# Altium PCB Board.PcbDoc (part 7 of 15)
Units mil, origin at the board's own origin, x right, y up, seen from the top; angles counter-clockwise.
Board outline 6379.64 x 4143.89 mil, 4 copper layers (Top Layer, GND, VCC, Bottom Layer); 316 components, 199 nets, 1077 pads, 596 vias.
Unrouted connection lines stored in the file: 268.
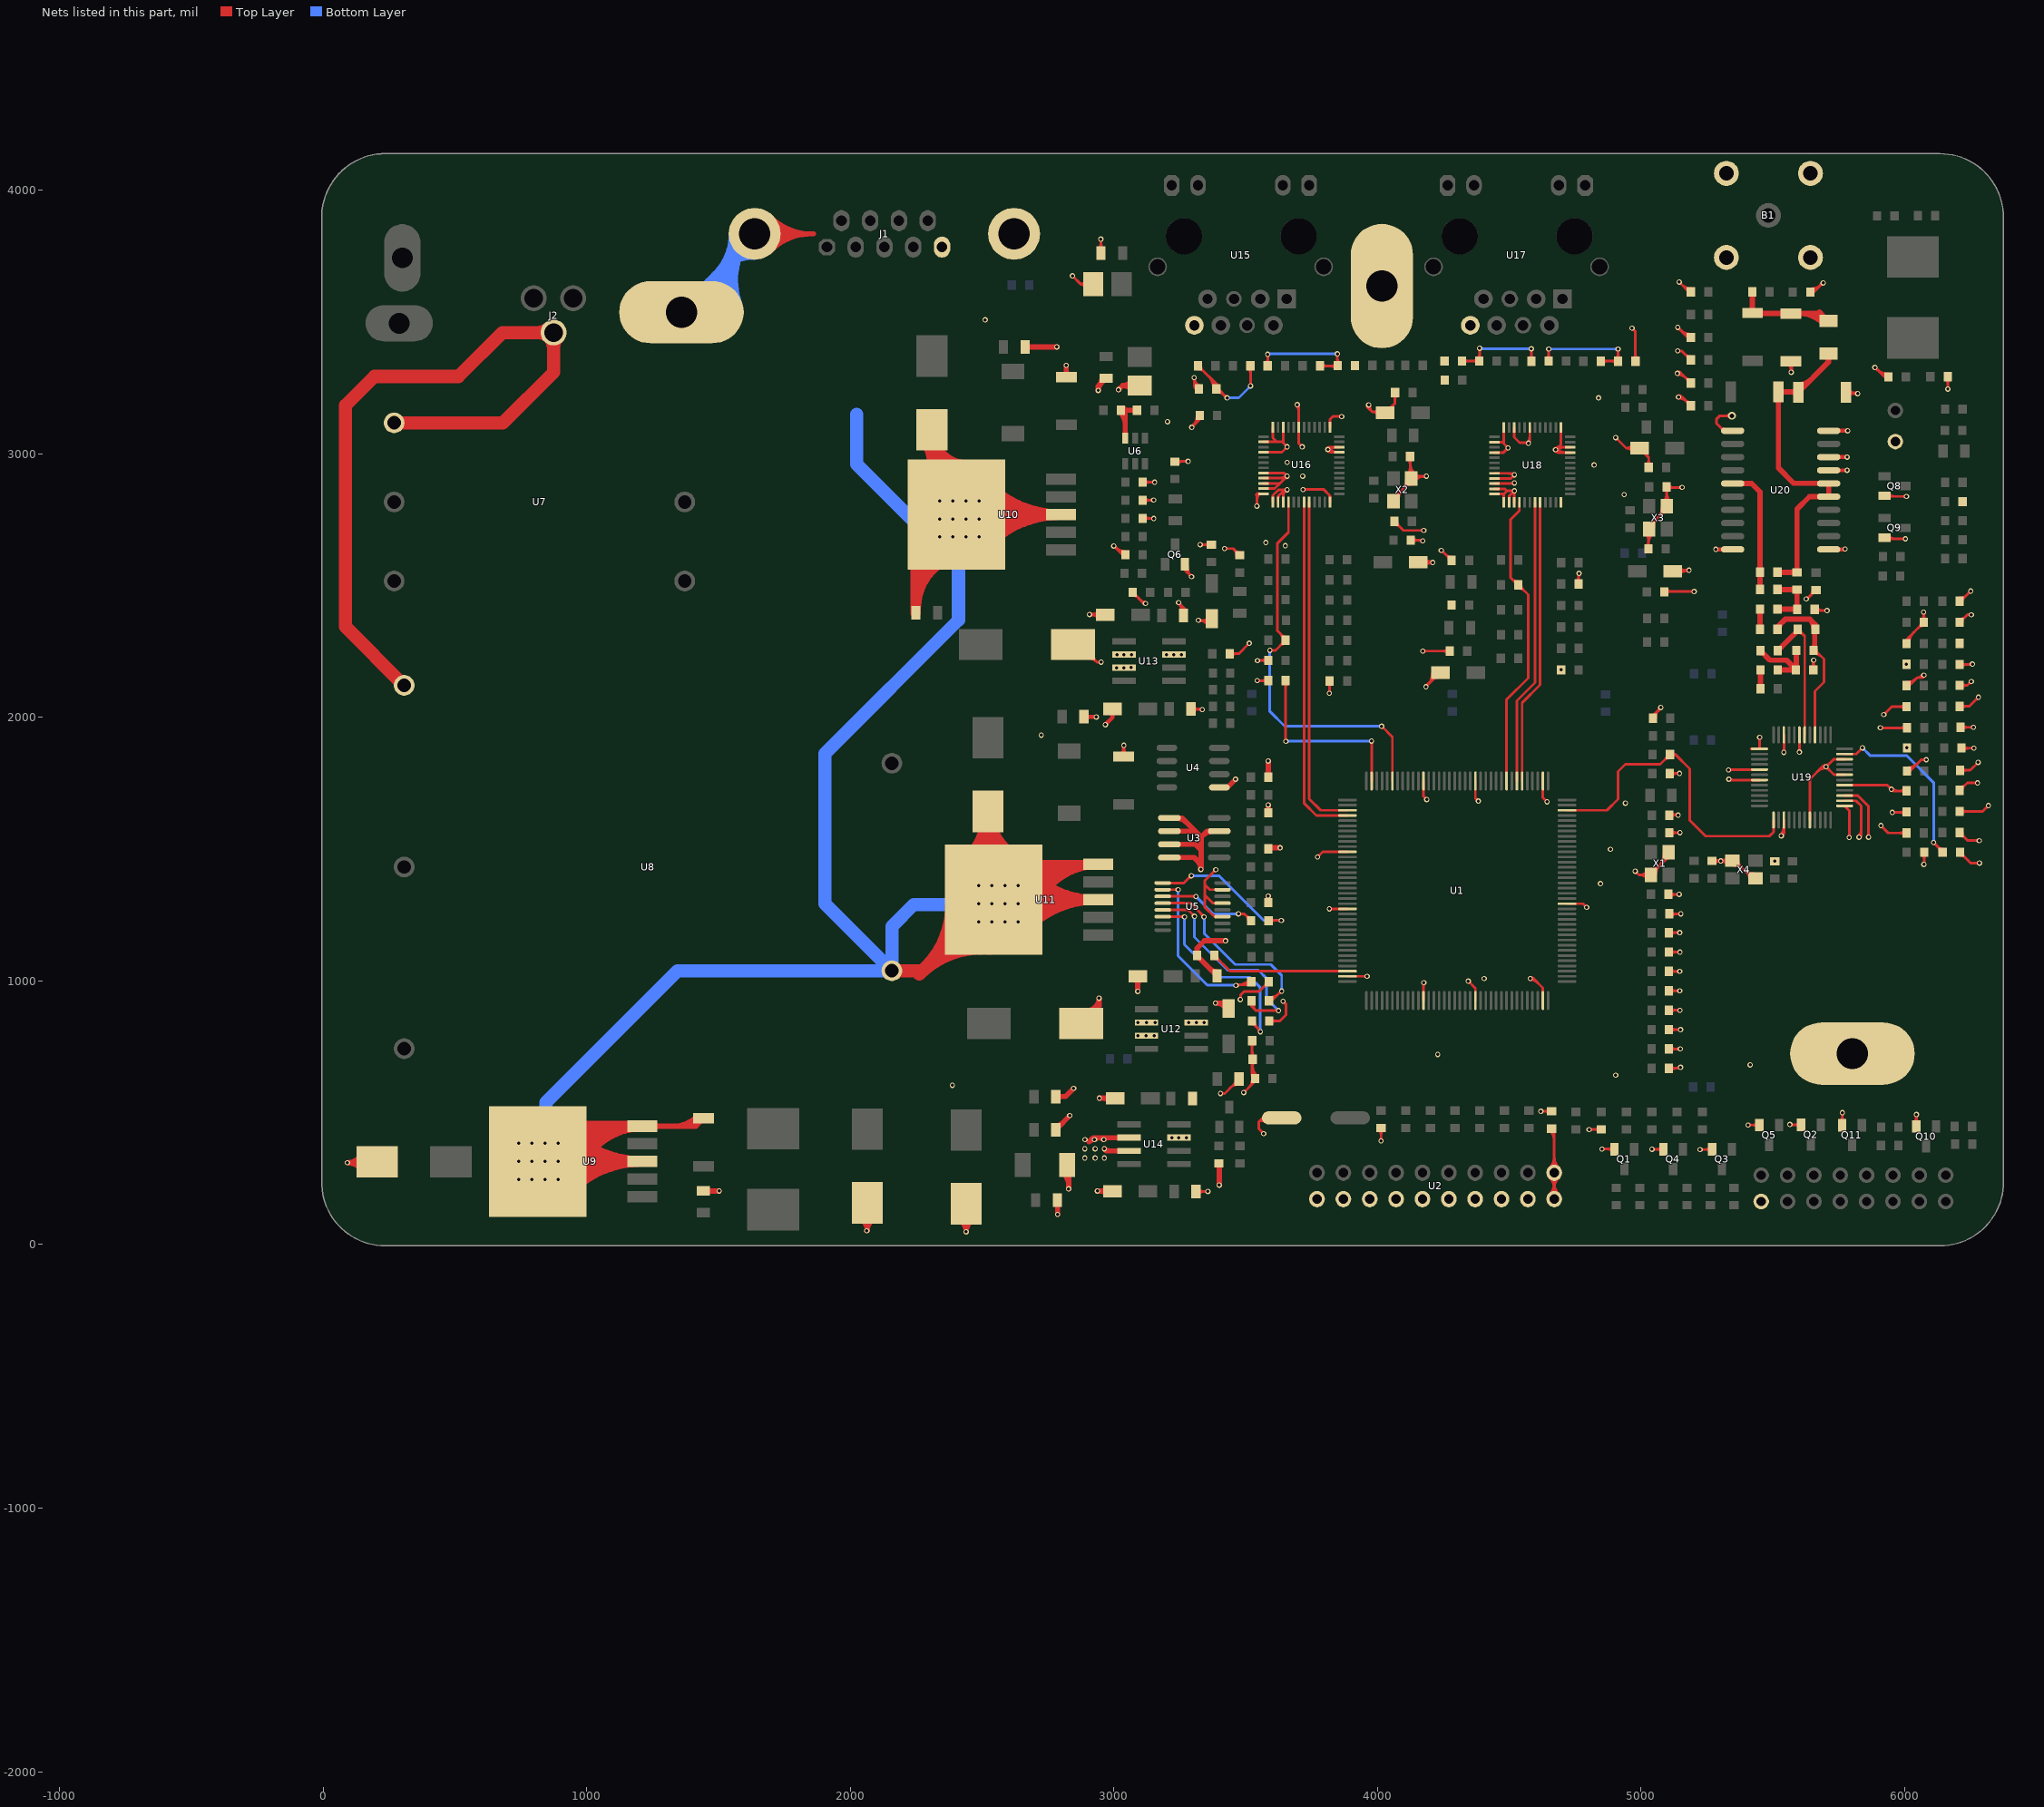
[diagram p8: the nets of this part, all layers, seen from the top]

## Via types
v1: diameter 20, hole 12, Top Layer to Bottom Layer, 590 vias
v2: diameter 30, hole 17, Top Layer to Bottom Layer, 6 vias

## Nets (pads, with @x,y where several pads share a name; then routed paths per layer and width w, separated by ;. In a path a pad name is that pad's centre, name@x,y a point inside that pad or via, vN(x,y) a via of type N, cw(c..) or ccw(c..) an arc to the next point about the centre after c; other vN are vias at no path point) (continued)
GND: (continued)
  other v1: 741.6,247.45 791.6,247.45 841.6,247.45 891.6,247.45 741.6,315.95 791.6,315.95 841.6,315.95 891.6,315.95 2889.6,328.45 2928.6,328.45 2963.6,328.45 2889.6,363.45 2928.6,363.45 741.6,384.45 791.6,384.45 841.6,384.45 891.6,384.45 2890.6,398.45 3219.6,405.45 3246.6,405.45 3275.6,405.45 2387.6,604.45 4903.6,642.45 5413.6,681.45 4228.6,721.45 3091.6,792.45 3122.1,792.45 3152.6,792.45 3091.6,842.45 3124.1,842.45 3156.6,842.45 3284.6,842.45 3312.6,842.45 3341.6,842.45 4404.6,1009.45 2486.6,1224.45 2536.6,1224.45 2586.6,1224.45 2636.6,1224.45 2486.6,1292.95 2536.6,1292.95 2586.6,1292.95 2636.6,1292.95 2486.6,1361.45 2536.6,1361.45 2586.6,1361.45 2636.6,1361.45 4845.6,1369.45 4883.6,1499.45 4940.6,1674.45 6008.6,1884.45 2724.6,1932.45 4696.6,2180.45 3010.6,2188.45 3038.62,2188.45 3065.6,2189.45 6006.6,2201.45 3012.6,2238.45 3038.62,2238.45 3066.6,2238.45 3199.6,2238.45 3227.6,2238.45 3255.6,2238.45 3650.6,2651.45 3576.6,2663.45 2338.6,2684.45 2388.6,2684.45 2438.6,2684.45 2488.6,2684.45 2438.6,2752.95 2488.6,2752.95 2338.6,2821.45 2388.6,2821.45 2438.6,2821.45 2488.6,2821.45 4935.6,2845.45 3716.6,2915.45 4821.6,2957.45 3657.6,2967.45 3203.6,3121.45 4838.6,3212.45 2511.6,3508.45
GND(AC): J2.3 U7.1 U8.1 | length 3444.7
  Top Layer w50: U7.1@269.6,3117.45 682.6,3117.45 874.21,3309.06 J2.3@874.21,3460.24 680.39,3460.24 513.6,3293.45 194.6,3293.45 84.6,3183.45 84.6,2344.43 U8.1@307.6,2121.43 ; 815.76,3460.24 cw(c815.76,3401.78) J2.3@857.09,3443.12 ; 815.76,3460.24 ccw(c815.76,3518.69) J2.3@857.09,3477.36 ; 815.76,3460.24 cw(c815.76,3401.78) J2.3@857.09,3443.12 ; 815.76,3460.24 ccw(c815.76,3518.69) J2.3@857.09,3477.36 ; 815.76,3460.24 ccw(c815.76,3518.69) J2.3@857.09,3477.36 ; 815.76,3460.24 cw(c815.76,3401.78) J2.3@857.09,3443.12 ; J2.3@857.09,3443.12 cw(c815.76,3401.78) 874.21,3401.78 ; J2.3@857.09,3443.12 cw(c815.76,3401.78) 874.21,3401.78 ; J2.3@857.09,3443.12 cw(c815.76,3401.78) 874.21,3401.78 ; 874.21,3401.78 cw(c932.67,3401.78) J2.3@891.33,3443.12 ; 874.21,3401.78 cw(c932.67,3401.78) J2.3@891.33,3443.12 ; 874.21,3401.78 cw(c932.67,3401.78) J2.3@891.33,3443.12
INT: R101.1 U1.34 U19.25 | length 1436.5
  Top Layer w10: U1.34@4718.94,1647.57 4870.72,1647.57 4912.6,1689.45 4912.6,1794.45 4940.6,1822.45 5072.6,1822.45 R101.1@5109.6,1859.45 5130.6,1859.45 ; U19.25@5502.33,1611.03 5502.33,1565.18 5486.6,1549.45 5244.6,1549.45 5184.6,1609.45 5184.6,1805.45 5130.6,1859.45 ; 5087.89,1837.74 cw(c5109.6,1816.03) R101.1@5109.6,1846.73 ; 5087.89,1837.74 cw(c5109.6,1816.03) R101.1@5109.6,1846.73 ; 5087.89,1837.74 cw(c5109.6,1816.03) R101.1@5109.6,1846.73 ; 5092.64,1842.49 ccw(c5077.65,1857.48) R101.1@5098.85,1857.48 ; 5092.64,1842.49 ccw(c5077.65,1857.48) R101.1@5098.85,1857.48 ; 5092.64,1842.49 ccw(c5077.65,1857.48) R101.1@5098.85,1857.48 ; R101.1@5118.32,1853.16 cw(c5130.6,1844.31) 5130.6,1859.45 ; R101.1@5118.32,1853.16 cw(c5130.6,1844.31) 5130.6,1859.45 ; R101.1@5118.32,1853.16 cw(c5130.6,1844.31) 5130.6,1859.45 ; R101.1@5118.32,1865.73 ccw(c5130.6,1874.59) 5130.6,1859.45 ; R101.1@5118.32,1865.73 ccw(c5130.6,1874.59) 5130.6,1859.45 ; R101.1@5118.32,1865.73 ccw(c5130.6,1874.59) 5130.6,1859.45
INT1: R54.2 U1.67 U16.40 | length 1990.9
  Top Layer w10: v1(3591.6,2254.45) 3612.93,2254.45 R54.2@3651.6,2293.12 ; R54.2@3643.6,2305.45 3619.6,2329.45 3619.6,2659.45 3662.39,2702.24 U16.40@3662.39,2816.72 ; v1(4015.6,1966.45) 4056.54,1925.51 U1.67@4056.54,1758.79 ; v1@3595.13,2250.91 cw(c3603.67,2242.38) 3603.67,2254.45 ; v1@3595.13,2250.91 cw(c3603.67,2242.38) 3603.67,2254.45 ; v1@3595.13,2250.91 cw(c3603.67,2242.38) 3603.67,2254.45 ; v1@3595.13,2257.98 ccw(c3603.67,2266.52) 3603.67,2254.45 ; v1@3595.13,2257.98 ccw(c3603.67,2266.52) 3603.67,2254.45 ; v1@3595.13,2257.98 ccw(c3603.67,2266.52) 3603.67,2254.45 ; 3629.89,2271.41 cw(c3651.6,2249.7) R54.2@3651.6,2280.4 ; 3629.89,2271.41 cw(c3651.6,2249.7) R54.2@3651.6,2280.4 ; 3629.89,2271.41 cw(c3651.6,2249.7) R54.2@3651.6,2280.4 ; 3631.58,2317.47 cw(c3609.19,2295.08) R54.2@3640.85,2295.08 ; 3631.58,2317.47 cw(c3609.19,2295.08) R54.2@3640.85,2295.08 ; 3631.58,2317.47 cw(c3609.19,2295.08) R54.2@3640.85,2295.08 ; 3634.64,2276.16 ccw(c3619.65,2291.15) R54.2@3640.85,2291.15 ; 3634.64,2276.16 ccw(c3619.65,2291.15) R54.2@3640.85,2291.15 ; 3634.64,2276.16 ccw(c3619.65,2291.15) R54.2@3640.85,2291.15 ; 3637.29,2311.76 ccw(c3651.6,2326.07) R54.2@3651.6,2305.83 ; 3637.29,2311.76 ccw(c3651.6,2326.07) R54.2@3651.6,2305.83 ; 3637.29,2311.76 ccw(c3651.6,2326.07) R54.2@3651.6,2305.83 ; v1@4015.6,1961.45 cw(c4015.6,1949.38) 4024.13,1957.91 ; v1@4015.6,1961.45 cw(c4015.6,1949.38) 4024.13,1957.91 ; v1@4015.6,1961.45 cw(c4015.6,1949.38) 4024.13,1957.91 ; v1@4020.6,1966.45 ccw(c4032.67,1966.45) 4024.13,1957.91 ; v1@4020.6,1966.45 ccw(c4032.67,1966.45) 4024.13,1957.91 ; v1@4020.6,1966.45 ccw(c4032.67,1966.45) 4024.13,1957.91
  Bottom Layer w10: v1(3591.6,2254.45) 3591.6,2022.45 3647.6,1966.45 v1(4015.6,1966.45) ; v1@3588.06,2250.91 cw(c3579.53,2242.38) 3591.6,2242.38 ; v1@3588.06,2250.91 cw(c3579.53,2242.38) 3591.6,2242.38 ; v1@3588.06,2250.91 cw(c3579.53,2242.38) 3591.6,2242.38 ; 3591.6,2242.38 cw(c3603.67,2242.38) v1@3595.13,2250.91 ; 3591.6,2242.38 cw(c3603.67,2242.38) v1@3595.13,2250.91 ; 3591.6,2242.38 cw(c3603.67,2242.38) v1@3595.13,2250.91 ; 4003.53,1966.45 cw(c4003.53,1954.38) v1@4012.06,1962.91 ; 4003.53,1966.45 ccw(c4003.53,1978.52) v1@4012.06,1969.98 ; 4003.53,1966.45 cw(c4003.53,1954.38) v1@4012.06,1962.91 ; 4003.53,1966.45 ccw(c4003.53,1978.52) v1@4012.06,1969.98 ; 4003.53,1966.45 ccw(c4003.53,1978.52) v1@4012.06,1969.98 ; 4003.53,1966.45 cw(c4003.53,1954.38) v1@4012.06,1962.91
INT2: R74.2 U1.45 U18.40 | length 1377.9
  Top Layer w10: U1.45@4489.61,1758.79 4489.61,2067.46 4571.6,2149.45 4571.6,2465.7 R74.2@4534.6,2502.7 ; R74.2@4533.47,2501.57 4504.6,2530.45 4504.6,2750.45 4538.39,2784.24 U18.40@4538.39,2815.72 ; 4509.05,2526 ccw(c4534.6,2551.55) R74.2@4534.6,2515.42 ; 4509.05,2526 ccw(c4534.6,2551.55) R74.2@4534.6,2515.42 ; 4509.05,2526 ccw(c4534.6,2551.55) R74.2@4534.6,2515.42 ; R74.2@4519.23,2515.81 cw(c4508.09,2504.67) R74.2@4523.85,2504.67 ; R74.2@4519.23,2515.81 cw(c4508.09,2504.67) R74.2@4523.85,2504.67 ; R74.2@4519.23,2515.81 cw(c4508.09,2504.67) R74.2@4523.85,2504.67 ; R74.2@4534.6,2489.98 cw(c4534.6,2459.28) 4556.31,2480.99 ; R74.2@4534.6,2489.98 cw(c4534.6,2459.28) 4556.31,2480.99 ; R74.2@4534.6,2489.98 cw(c4534.6,2459.28) 4556.31,2480.99 ; R74.2@4545.35,2500.73 ccw(c4566.54,2500.73) 4551.55,2485.74 ; R74.2@4545.35,2500.73 ccw(c4566.54,2500.73) 4551.55,2485.74 ; R74.2@4545.35,2500.73 ccw(c4566.54,2500.73) 4551.55,2485.74
MISO1: U1.75 U16.44 | length 1288.9
  Top Layer w10: U16.44@3741.13,2816.72 3741.13,1690.92 3784.48,1647.57 U1.75@3886.26,1647.57
MISO2: U1.42 U18.44 | length 1084.5
  Top Layer w10: U1.42@4548.66,1758.79 4548.66,2055.19 4616.6,2123.13 ; 4617.13,2123.66 U18.44@4617.13,2815.72
MOSI1: U1.76 U16.43 | length 1314.5
  Top Layer w10: 3721.6,1674.45 U16.43@3721.6,2806.45 ; 3722.6,1673.45 3768.17,1627.88 U1.76@3886.26,1627.88
MOSI2: U1.43 U18.43 | length 1090.2
  Top Layer w10: U1.43@4528.98,1758.79 4528.98,2063.34 4585.84,2120.21 ; 4582.03,2116.88 4597.44,2132.29 U18.43@4597.44,2815.72
NetC13_2: C13.2 U1.106 | length 651.4
  Top Layer w10: C13.2@3381.6,1096.45 3440.72,1037.33 U1.106@3886.26,1037.33 ; C13.2@3381.6,1083.73 cw(c3381.6,1053.03) 3403.31,1074.74 ; C13.2@3381.6,1083.73 cw(c3381.6,1053.03) 3403.31,1074.74 ; C13.2@3381.6,1083.73 cw(c3381.6,1053.03) 3403.31,1074.74 ; C13.2@3392.35,1094.48 ccw(c3413.54,1094.48) 3398.55,1079.49 ; C13.2@3392.35,1094.48 ccw(c3413.54,1094.48) 3398.55,1079.49 ; C13.2@3392.35,1094.48 ccw(c3413.54,1094.48) 3398.55,1079.49
NetC15_2: C15.2 U2.1 U2.2 | length 1792.3
  Top Layer w10: C15.2@4661.6,433.45 4670.6,424.45 U2.1@4670.6,272.45 U2.2@4670.6,172.45 ; U2.2@4653.25,191.26 ccw(c4611.38,233.14) 4670.6,233.14 ; U2.2@4653.25,191.26 ccw(c4611.38,233.14) 4670.6,233.14 ; U2.2@4653.25,191.26 ccw(c4611.38,233.14) 4670.6,233.14 ; U2.1@4653.25,253.63 cw(c4611.38,211.76) 4670.6,211.76 ; U2.1@4653.25,253.63 cw(c4611.38,211.76) 4670.6,211.76 ; U2.1@4653.25,253.63 cw(c4611.38,211.76) 4670.6,211.76 ; U2.1@4653.25,291.26 ccw(c4611.38,333.14) 4670.6,333.14 ; U2.1@4653.25,291.26 ccw(c4611.38,333.14) 4670.6,333.14 ; U2.1@4653.25,291.26 ccw(c4611.38,333.14) 4670.6,333.14 ; C15.2@4654.97,431.85 cw(c4617.23,394.11) 4670.6,394.11 ; C15.2@4654.97,431.85 cw(c4617.23,394.11) 4670.6,394.11 ; C15.2@4654.97,431.85 cw(c4617.23,394.11) 4670.6,394.11 ; U2.2@4660.33,184.19 ccw(c4635.53,208.99) 4670.6,208.99 ; U2.2@4660.33,184.19 ccw(c4635.53,208.99) 4670.6,208.99 ; U2.2@4660.33,184.19 ccw(c4635.53,208.99) 4670.6,208.99 ; U2.1@4660.33,260.7 cw(c4635.53,235.9) 4670.6,235.9 ; U2.1@4660.33,260.7 cw(c4635.53,235.9) 4670.6,235.9 ; U2.1@4660.33,260.7 cw(c4635.53,235.9) 4670.6,235.9 ; U2.1@4660.33,284.19 ccw(c4635.53,308.99) 4670.6,308.99 ; U2.1@4660.33,284.19 ccw(c4635.53,308.99) 4670.6,308.99 ; U2.1@4660.33,284.19 ccw(c4635.53,308.99) 4670.6,308.99 ; C15.2@4662.04,438.92 cw(c4641.37,418.25) 4670.6,418.25 ; C15.2@4662.04,438.92 cw(c4641.37,418.25) 4670.6,418.25 ; C15.2@4662.04,438.92 cw(c4641.37,418.25) 4670.6,418.25 ; 4670.6,208.99 ccw(c4705.67,208.99) U2.2@4680.87,184.19 ; 4670.6,208.99 ccw(c4705.67,208.99) U2.2@4680.87,184.19 ; 4670.6,208.99 ccw(c4705.67,208.99) U2.2@4680.87,184.19 ; 4670.6,211.76 cw(c4729.81,211.76) U2.1@4687.94,253.63 ; 4670.6,211.76 cw(c4729.81,211.76) U2.1@4687.94,253.63 ; 4670.6,211.76 cw(c4729.81,211.76) U2.1@4687.94,253.63 ; 4670.6,233.14 ccw(c4729.81,233.14) U2.2@4687.94,191.26 ; 4670.6,233.14 ccw(c4729.81,233.14) U2.2@4687.94,191.26 ; 4670.6,233.14 ccw(c4729.81,233.14) U2.2@4687.94,191.26 ; 4670.6,235.9 cw(c4705.67,235.9) U2.1@4680.87,260.7 ; 4670.6,235.9 cw(c4705.67,235.9) U2.1@4680.87,260.7 ; 4670.6,235.9 cw(c4705.67,235.9) U2.1@4680.87,260.7 ; 4670.6,308.99 ccw(c4705.67,308.99) U2.1@4680.87,284.19 ; 4670.6,308.99 ccw(c4705.67,308.99) U2.1@4680.87,284.19 ; 4670.6,308.99 ccw(c4705.67,308.99) U2.1@4680.87,284.19 ; 4670.6,333.14 ccw(c4729.81,333.14) U2.1@4687.94,291.26 ; 4670.6,333.14 ccw(c4729.81,333.14) U2.1@4687.94,291.26 ; 4670.6,333.14 ccw(c4729.81,333.14) U2.1@4687.94,291.26
NetC16_2: C16.2 U1.71 | length 1016.6
  Top Layer w10: C16.2@3651.6,2139.45 3651.6,1910.45 v1(3652.6,1909.45) ; v1(3977.6,1910.45) 3977.8,1910.25 U1.71@3977.8,1758.79 ; C16.2@3644,2129.88 cw(c3625.65,2111.53) 3651.6,2111.53 ; C16.2@3644,2129.88 cw(c3625.65,2111.53) 3651.6,2111.53 ; C16.2@3644,2129.88 cw(c3625.65,2111.53) 3651.6,2111.53 ; 3651.6,1923.93 ccw(c3667.08,1923.93) v1@3656.13,1912.98 ; 3651.6,1923.93 ccw(c3667.08,1923.93) v1@3656.13,1912.98 ; 3651.6,1923.93 ccw(c3667.08,1923.93) v1@3656.13,1912.98 ; 3651.6,2111.53 cw(c3677.55,2111.53) C16.2@3659.2,2129.88 ; 3651.6,2111.53 cw(c3677.55,2111.53) C16.2@3659.2,2129.88 ; 3651.6,2111.53 cw(c3677.55,2111.53) C16.2@3659.2,2129.88 ; v1@3974.06,1906.91 cw(c3965.05,1897.9) 3977.8,1897.9 ; v1@3974.06,1906.91 cw(c3965.05,1897.9) 3977.8,1897.9 ; v1@3974.06,1906.91 cw(c3965.05,1897.9) 3977.8,1897.9 ; 3977.8,1898.85 cw(c3989.19,1898.85) v1@3981.13,1906.91 ; 3977.8,1898.85 cw(c3989.19,1898.85) v1@3981.13,1906.91 ; 3977.8,1898.85 cw(c3989.19,1898.85) v1@3981.13,1906.91
  Bottom Layer w10: v1(3652.6,1909.45) 3653.6,1910.45 v1(3977.6,1910.45) ; v1@3656.13,1905.91 cw(c3667.08,1894.96) 3667.08,1910.45 ; v1@3656.13,1905.91 cw(c3667.08,1894.96) 3667.08,1910.45 ; v1@3656.13,1905.91 cw(c3667.08,1894.96) 3667.08,1910.45 ; 3965.53,1910.45 cw(c3965.53,1898.38) v1@3974.06,1906.91 ; 3965.53,1910.45 ccw(c3965.53,1922.52) v1@3974.06,1913.98 ; 3965.53,1910.45 cw(c3965.53,1898.38) v1@3974.06,1906.91 ; 3965.53,1910.45 ccw(c3965.53,1922.52) v1@3974.06,1913.98 ; 3965.53,1910.45 ccw(c3965.53,1922.52) v1@3974.06,1913.98 ; 3965.53,1910.45 cw(c3965.53,1898.38) v1@3974.06,1906.91
NetC23_1: C23.1 U5.3 | length 723.3
  Top Layer w10: U5.3@3185.41,1320.83 3311.21,1320.83 v1(3311.6,1320.45) ; v1(3472.6,1254.45) 3494.6,1254.45 C23.1@3520.6,1228.45 ; 3298.6,1320.83 cw(c3298.6,1307.45) v1@3308.06,1316.91 ; 3298.6,1320.83 cw(c3298.6,1307.45) v1@3308.06,1316.91 ; 3298.6,1320.83 cw(c3298.6,1307.45) v1@3308.06,1316.91 ; 3300.46,1320.83 ccw(c3300.46,1331.59) v1@3308.06,1323.98 ; 3300.46,1320.83 ccw(c3300.46,1331.59) v1@3308.06,1323.98 ; 3300.46,1320.83 ccw(c3300.46,1331.59) v1@3308.06,1323.98 ; v1@3476.13,1250.91 cw(c3484.67,1242.38) 3484.67,1254.45 ; v1@3476.13,1250.91 cw(c3484.67,1242.38) 3484.67,1254.45 ; v1@3476.13,1250.91 cw(c3484.67,1242.38) 3484.67,1254.45 ; v1@3476.13,1257.98 ccw(c3484.67,1266.52) 3484.67,1254.45 ; v1@3476.13,1257.98 ccw(c3484.67,1266.52) 3484.67,1254.45 ; v1@3476.13,1257.98 ccw(c3484.67,1266.52) 3484.67,1254.45 ; 3498.89,1250.16 ccw(c3520.6,1271.87) C23.1@3520.6,1241.17 ; 3498.89,1250.16 ccw(c3520.6,1271.87) C23.1@3520.6,1241.17 ; 3498.89,1250.16 ccw(c3520.6,1271.87) C23.1@3520.6,1241.17 ; 3503.64,1245.4 cw(c3488.65,1230.42) C23.1@3509.85,1230.42 ; 3503.64,1245.4 cw(c3488.65,1230.42) C23.1@3509.85,1230.42 ; 3503.64,1245.4 cw(c3488.65,1230.42) C23.1@3509.85,1230.42
  Bottom Layer w10: v1(3311.6,1320.45) 3377.6,1254.45 v1(3472.6,1254.45) ; v1@3311.6,1315.45 cw(c3311.6,1303.38) 3320.13,1311.91 ; v1@3311.6,1315.45 cw(c3311.6,1303.38) 3320.13,1311.91 ; v1@3311.6,1315.45 cw(c3311.6,1303.38) 3320.13,1311.91 ; v1@3316.6,1320.45 ccw(c3328.67,1320.45) 3320.13,1311.91 ; v1@3316.6,1320.45 ccw(c3328.67,1320.45) 3320.13,1311.91 ; v1@3316.6,1320.45 ccw(c3328.67,1320.45) 3320.13,1311.91 ; 3460.53,1254.45 cw(c3460.53,1242.38) v1@3469.06,1250.91 ; 3460.53,1254.45 ccw(c3460.53,1266.52) v1@3469.06,1257.98 ; 3460.53,1254.45 cw(c3460.53,1242.38) v1@3469.06,1250.91 ; 3460.53,1254.45 ccw(c3460.53,1266.52) v1@3469.06,1257.98 ; 3460.53,1254.45 ccw(c3460.53,1266.52) v1@3469.06,1257.98 ; 3460.53,1254.45 cw(c3460.53,1242.38) v1@3469.06,1250.91
NetC23_2: C23.2 U5.1 | length 931.2
  Top Layer w10: U5.1@3185.41,1372.02 3266.17,1372.02 v1(3293.6,1399.45) ; C23.2@3586.6,1228.45 3587.6,1229.45 v1(3635.6,1229.45) ; 3285.06,1390.91 cw(c3293.6,1382.38) v1@3293.6,1394.45 ; 3285.06,1390.91 ccw(c3276.53,1399.45) v1@3288.6,1399.45 ; 3285.06,1390.91 cw(c3293.6,1382.38) v1@3293.6,1394.45 ; 3285.06,1390.91 ccw(c3276.53,1399.45) v1@3288.6,1399.45 ; 3285.06,1390.91 ccw(c3276.53,1399.45) v1@3288.6,1399.45 ; 3285.06,1390.91 cw(c3293.6,1382.38) v1@3293.6,1394.45 ; C23.2@3594.2,1222.82 cw(c3610.21,1206.81) 3610.21,1229.45 ; C23.2@3594.2,1222.82 cw(c3610.21,1206.81) 3610.21,1229.45 ; C23.2@3594.2,1222.82 cw(c3610.21,1206.81) 3610.21,1229.45 ; C23.2@3594.2,1238.02 ccw(c3614.88,1258.7) 3614.88,1229.45 ; C23.2@3594.2,1238.02 ccw(c3614.88,1258.7) 3614.88,1229.45 ; C23.2@3594.2,1238.02 ccw(c3614.88,1258.7) 3614.88,1229.45 ; 3623.53,1229.45 cw(c3623.53,1217.38) v1@3632.06,1225.91 ; 3623.53,1229.45 ccw(c3623.53,1241.52) v1@3632.06,1232.98 ; 3623.53,1229.45 cw(c3623.53,1217.38) v1@3632.06,1225.91 ; 3623.53,1229.45 ccw(c3623.53,1241.52) v1@3632.06,1232.98 ; 3623.53,1229.45 ccw(c3623.53,1241.52) v1@3632.06,1232.98 ; 3623.53,1229.45 cw(c3623.53,1217.38) v1@3632.06,1225.91
  Bottom Layer w10: v1(3293.6,1399.45) 3398.6,1399.45 3568.6,1229.45 v1(3635.6,1229.45) ; v1@3297.13,1395.91 cw(c3305.67,1387.38) 3305.67,1399.45 ; v1@3297.13,1395.91 cw(c3305.67,1387.38) 3305.67,1399.45 ; v1@3297.13,1395.91 cw(c3305.67,1387.38) 3305.67,1399.45 ; v1@3297.13,1402.98 ccw(c3305.67,1411.52) 3305.67,1399.45 ; v1@3297.13,1402.98 ccw(c3305.67,1411.52) 3305.67,1399.45 ; v1@3297.13,1402.98 ccw(c3305.67,1411.52) 3305.67,1399.45 ; 3623.53,1229.45 cw(c3623.53,1217.38) v1@3632.06,1225.91 ; 3623.53,1229.45 ccw(c3623.53,1241.52) v1@3632.06,1232.98 ; 3623.53,1229.45 cw(c3623.53,1217.38) v1@3632.06,1225.91 ; 3623.53,1229.45 ccw(c3623.53,1241.52) v1@3632.06,1232.98 ; 3623.53,1229.45 ccw(c3623.53,1241.52) v1@3632.06,1232.98 ; 3623.53,1229.45 cw(c3623.53,1217.38) v1@3632.06,1225.91
NetC24_1: C24.1 U5.2 | length 1058.1
  Top Layer w10: U5.2@3185.41,1346.43 v1(3243.6,1346.45) ; v1(3463.6,983.45) 3463.6,986.45 3510.6,986.45 C24.1@3521.6,997.45 ; 3231.47,1346.43 ccw(c3231.47,1358.58) v1@3240.06,1349.98 ; 3231.47,1346.43 ccw(c3231.47,1358.58) v1@3240.06,1349.98 ; 3231.47,1346.43 ccw(c3231.47,1358.58) v1@3240.06,1349.98 ; 3231.58,1346.43 cw(c3231.58,1334.43) v1@3240.06,1342.91 ; 3231.58,1346.43 cw(c3231.58,1334.43) v1@3240.06,1342.91 ; 3231.58,1346.43 cw(c3231.58,1334.43) v1@3240.06,1342.91 ; v1@3467.13,979.91 cw(c3482.91,964.14) 3482.91,986.45 ; v1@3467.13,979.91 cw(c3482.91,964.14) 3482.91,986.45 ; v1@3467.13,979.91 cw(c3482.91,964.14) 3482.91,986.45 ; 3473.85,986.45 ccw(c3473.85,1043.23) C24.1@3514,1003.08 ; 3473.85,986.45 ccw(c3473.85,1043.23) C24.1@3514,1003.08 ; 3473.85,986.45 ccw(c3473.85,1043.23) C24.1@3514,1003.08 ; 3497.99,986.45 ccw(c3497.99,1019.09) C24.1@3521.07,996.01 ; 3497.99,986.45 ccw(c3497.99,1019.09) C24.1@3521.07,996.01 ; 3497.99,986.45 ccw(c3497.99,1019.09) C24.1@3521.07,996.01
  Bottom Layer w10: v1(3243.6,1346.45) 3243.6,1095.45 3354.6,984.45 3461.6,984.45 3463.6,986.45 v1(3463.6,983.45) ; v1@3240.06,1342.91 cw(c3231.53,1334.38) 3243.6,1334.38 ; v1@3240.06,1342.91 cw(c3231.53,1334.38) 3243.6,1334.38 ; v1@3240.06,1342.91 cw(c3231.53,1334.38) 3243.6,1334.38 ; 3243.6,1334.38 cw(c3255.67,1334.38) v1@3247.13,1342.91 ; 3243.6,1334.38 cw(c3255.67,1334.38) v1@3247.13,1342.91 ; 3243.6,1334.38 cw(c3255.67,1334.38) v1@3247.13,1342.91 ; 3449.11,984.45 cw(c3449.11,968.96) v1@3460.06,979.91 ; 3449.11,984.45 cw(c3449.11,968.96) v1@3460.06,979.91 ; 3449.11,984.45 cw(c3449.11,968.96) v1@3460.06,979.91
NetC25_1: C25.1 U5.5 | length 1223.6
  Top Layer w10: U5.5@3185.41,1269.65 3281.39,1269.65 v1(3305.6,1245.45) ; C25.1@3522.6,924.45 3522.6,903.45 ; C25.1@3523.29,922.19 ccw(c3543.71,913.65) 3528.06,897.99 ; C25.1@3532.51,918.33 ccw(c3558.57,907.43) 3538.6,887.45 ; v1(3624.6,887.45) 3538.6,887.45 ; 3297.06,1253.98 cw(c3288.53,1245.45) v1@3300.6,1245.45 ; 3297.06,1253.98 ccw(c3305.6,1262.52) v1@3305.6,1250.45 ; 3297.06,1253.98 cw(c3288.53,1245.45) v1@3300.6,1245.45 ; 3297.06,1253.98 ccw(c3305.6,1262.52) v1@3305.6,1250.45 ; 3297.06,1253.98 ccw(c3305.6,1262.52) v1@3305.6,1250.45 ; 3297.06,1253.98 cw(c3288.53,1245.45) v1@3300.6,1245.45 ; C25.1@3517.05,913.28 cw(c3511.12,903.45) 3522.6,903.45 ; C25.1@3517.05,913.28 cw(c3511.12,903.45) 3522.6,903.45 ; C25.1@3517.05,913.28 cw(c3511.12,903.45) 3522.6,903.45 ; C25.1@3517.05,913.28 cw(c3511.12,903.45) 3522.6,903.45 ; C25.1@3517.05,913.28 cw(c3511.12,903.45) 3522.6,903.45 ; 3522.6,903.45 cw(c3534.07,903.45) C25.1@3528.15,913.28 ; 3522.6,903.45 cw(c3534.07,903.45) C25.1@3528.15,913.28 ; 3522.6,903.45 cw(c3534.07,903.45) C25.1@3528.15,913.28 ; 3522.6,903.45 cw(c3534.07,903.45) C25.1@3528.15,913.28 ; 3522.6,903.45 cw(c3534.07,903.45) C25.1@3528.15,913.28 ; 3522.6,903.45 3538.6,887.45 ; 3612.53,887.45 cw(c3612.53,875.38) v1@3621.06,883.91 ; 3612.53,887.45 ccw(c3612.53,899.52) v1@3621.06,890.98 ; 3612.53,887.45 cw(c3612.53,875.38) v1@3621.06,883.91 ; 3612.53,887.45 ccw(c3612.53,899.52) v1@3621.06,890.98 ; 3612.53,887.45 ccw(c3612.53,899.52) v1@3621.06,890.98 ; 3612.53,887.45 cw(c3612.53,875.38) v1@3621.06,883.91
  Bottom Layer w10: v1(3305.6,1245.45) 3305.6,1166.45 3430.6,1041.45 3547.6,1041.45 3579.6,1009.45 3579.6,932.45 v1(3624.6,887.45) ; v1@3302.06,1241.91 cw(c3293.53,1233.38) 3305.6,1233.38 ; v1@3302.06,1241.91 cw(c3293.53,1233.38) 3305.6,1233.38 ; v1@3302.06,1241.91 cw(c3293.53,1233.38) 3305.6,1233.38 ; 3305.6,1233.38 cw(c3317.67,1233.38) v1@3309.13,1241.91 ; 3305.6,1233.38 cw(c3317.67,1233.38) v1@3309.13,1241.91 ; 3305.6,1233.38 cw(c3317.67,1233.38) v1@3309.13,1241.91 ; 3616.06,895.98 cw(c3607.53,887.45) v1@3619.6,887.45 ; 3616.06,895.98 ccw(c3624.6,904.52) v1@3624.6,892.45 ; 3616.06,895.98 cw(c3607.53,887.45) v1@3619.6,887.45 ; 3616.06,895.98 ccw(c3624.6,904.52) v1@3624.6,892.45 ; 3616.06,895.98 ccw(c3624.6,904.52) v1@3624.6,892.45 ; 3616.06,895.98 cw(c3607.53,887.45) v1@3619.6,887.45